# KiCad board ETH1CLCR2.kicad_pcb (continued)
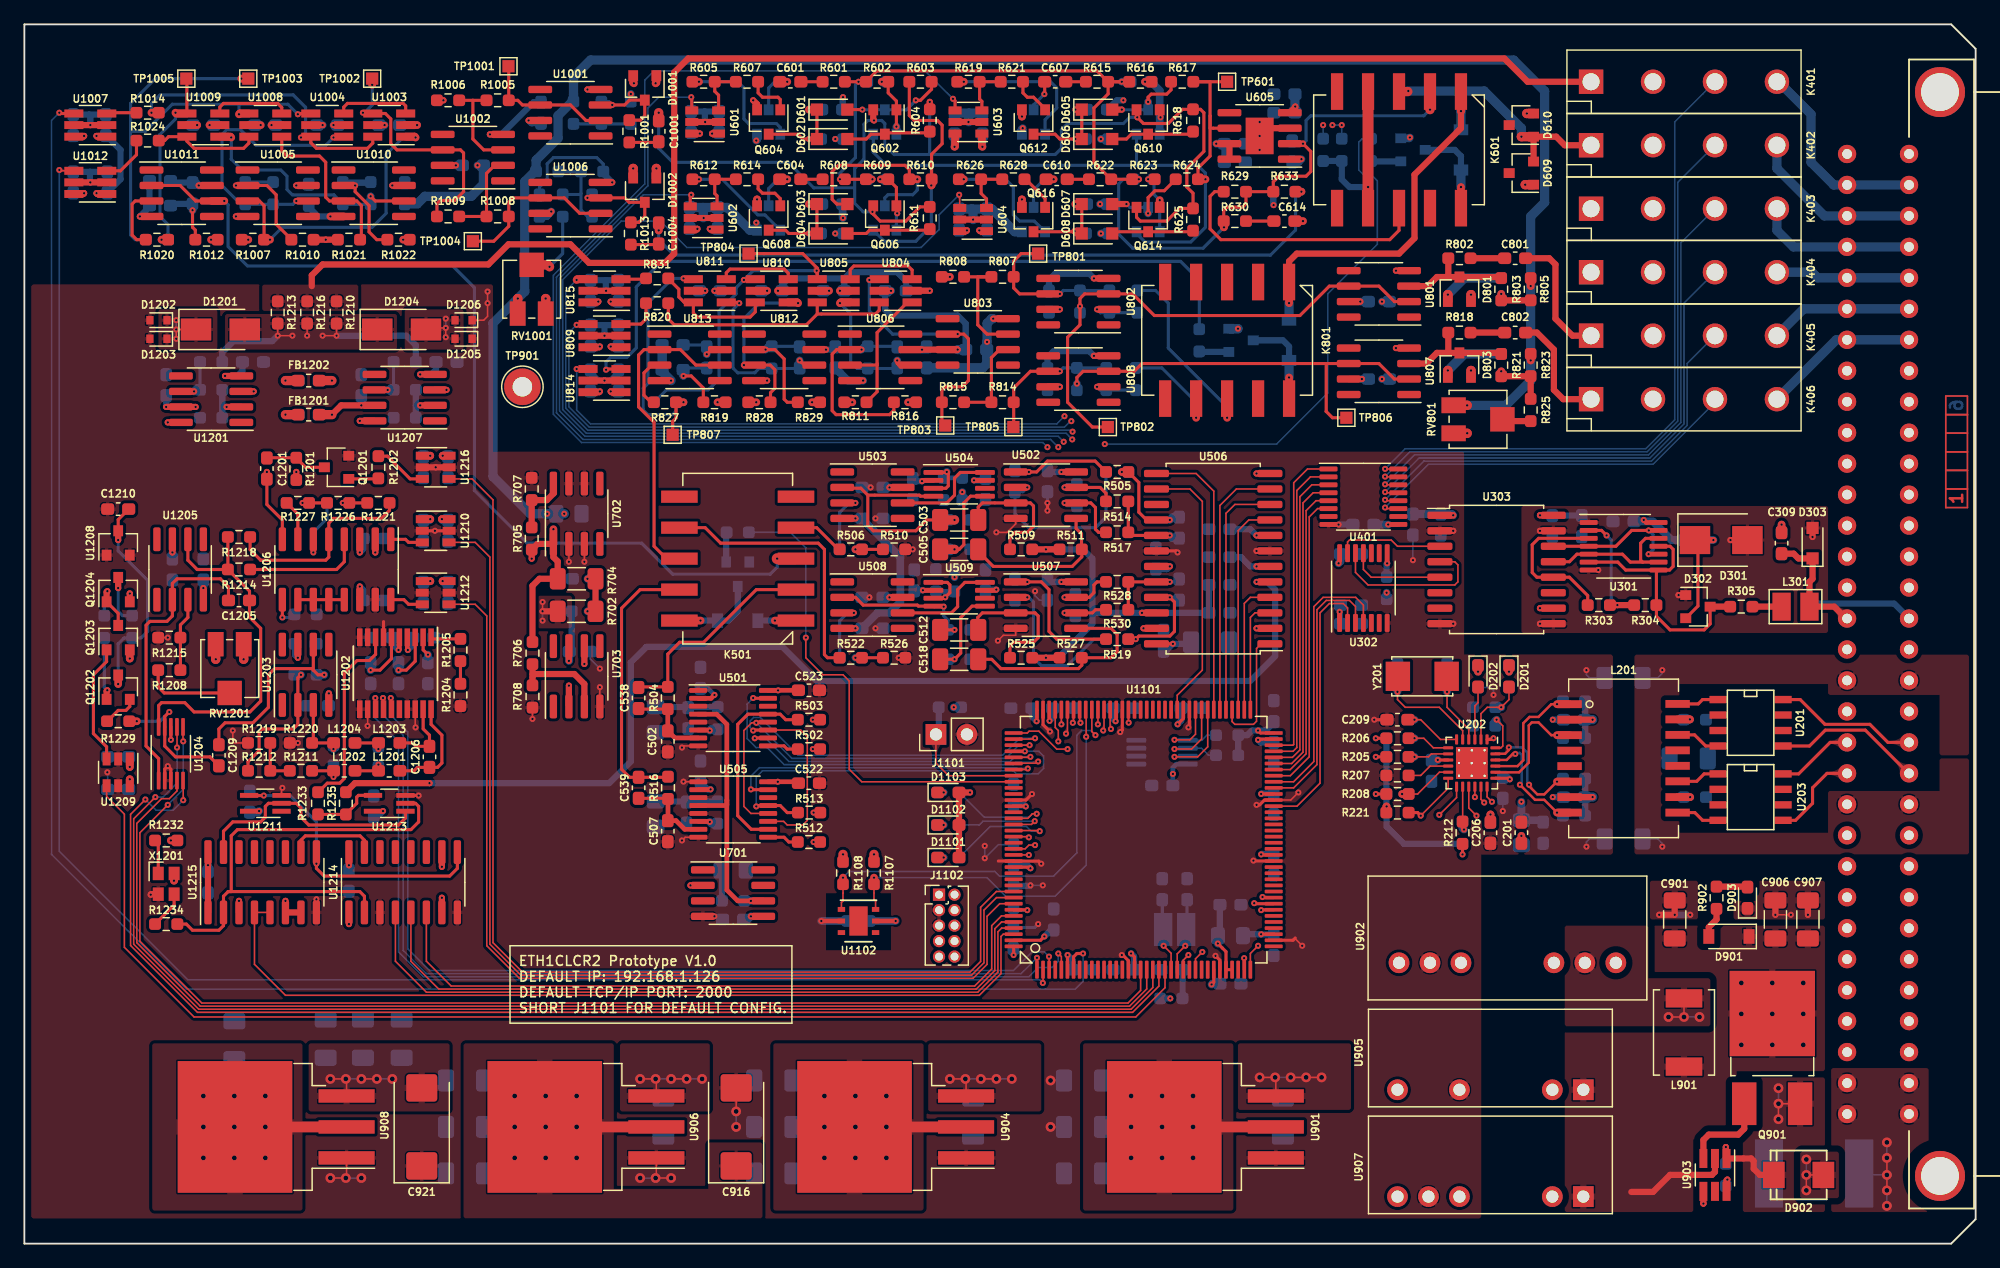
[diagram p0: board, top side]
## Routing (per net, layer and track width the routed paths; a pad name or vN(x,y) marks a point on that pad's centre or on a via; arc(x,y) is an arc through that point) (continued)
/ADC/ADC2_IIN: length 4.3
  Top w0.254: K501.4 64.97,58.72 66.75,56.94 R506.2
/ADC/ADC2_LRCK: length 9.3
  Top w0.127: U506.3 100.91,51.73 100.53,51.36 U1101.73
/ADC/ADC2_M0: length 23.2
  Top w0.127: U506.13 96.08,63.17 97.53,61.72 U1101.79
/ADC/ADC2_M1: length 22.1
  Top w0.127: U506.14 95.57,61.89 96.59,60.88 96.59,47.04 94.53,44.98 U1101.85
/ADC/ADC2_MDIV: length 20
  Top w0.127: U1101.77 98.53,59.9 99.26,60.62 U506.10
/ADC/ADC2_SCLK: length 11
  Top w0.127: 102.13,53 100.53,53 100.03,52.51 U1101.74
/ADC/ADC2_SDOUT: length 17.7
  Top w0.127: U1101.75 99.53,58.48 100.4,59.36 U506.9
/ADC/ADC2_VIN: length 22.6
  Top w0.254: K501.7 55.82,58.72 57.09,57.45 65.09,57.45 65.6,56.94 65.6,48.31 65.86,48.05 R522.2
/ADC/ADC_IIN: length 78.7
  Top w0.254: U1011.6 14.04,85.52 12.77,86.79 U1011.2
  Top w0.634: U1011.6 v1(16.39,85.52)
  Top w0.889: K501.3 v1(61.73,56.18)
  Bottom w0.254: v1(61.73,56.18) 61.73,55.48 61.16,54.91 53.16,54.91 50.62,57.45 41.22,57.45 36.9,61.77 36.9,78.41 35.12,80.18 18.3,80.18 16.71,81.77 16.71,85.2 v1(16.39,85.52)
/ADC/ADC_SEL: length 39.7
  Top w0.127: v1(64.08,49.7) 64.08,48.05 65.48,46.66 67.13,46.66 67.64,46.15 67.64,38.91 68.66,37.88 U1101.117
  Bottom w0.127: v1(64.08,49.7) 64.08,57.07 62.81,58.34 R531.1
/ADC/ADC_VIN: length 26.1
  Top w0.254: K501.8 52.65,56.18 51.63,57.2 51.63,67.36 50.36,68.63 50.36,72.88 50.81,73.33 U813.2 53.79,73.33 55.06,72.06 57.03,72.06
/ADC/CAP1: length 1.7
  Top w0.381: U501.6 56.16,42.12 v1(56.2,42.08)
  Bottom w0.634: R520.1 56.31,42.19 v1(56.2,42.08)
/ADC/CAP2: length 1.7
  Top w0.381: v1(56.2,34.59) 56.16,34.63 U505.6
  Bottom w0.634: v1(56.2,34.59) 56.36,34.44 R521.1
/ADC/DDS_CLK: length 96.2
  Top w0.254: v1(101.04,54.28) U506.5
  Top w0.508: v1(33.22,37.77) 27.1,37.77 R1235.1
  Bottom w0.508: v1(101.04,54.28) 101.93,54.28 102.56,53.64 102.56,48.18 100.53,46.15 64.97,46.15 62.17,48.94 51,48.94 49.73,47.67 49.73,39.54 47.95,37.77 v1(33.22,37.77)
/ADC/VQ: length 32
  Top w0.508: R525.2 v1(83.76,48.05) R527.2 ; R511.2 v1(83.76,56.94) R509.2 ; U506.22 v1(91.64,51.73)
  Bottom w0.508: v1(83.76,48.05) 84.78,48.05 87.57,50.85 87.57,51.61 ; v1(83.76,56.94) 86.81,56.94 87.57,56.18 87.57,51.61 ; 87.57,51.61 87.7,51.73 v1(91.64,51.73) C509.1 C510.1
/ADC/~{ADC2_HPF}: length 21.4
  Top w0.127: U1101.78 98.03,60.54 99.38,61.89 U506.11
/ADC/~{ADC2_RST}: length 10.4
  Top w0.127: U506.1 101.42,49.19 101.04,48.81 101.04,42.84 100.78,42.59 99.26,42.59 99.03,42.82 U1101.76
/Connector/A: length 16.6
  Bottom w0.761: J401.C2 J401.A2 148.36,86.83 146.5,88.69 146.5,92.63 143.84,95.3 K401.4
/Connector/B: length 14.3
  Bottom w0.761: K402.4 143.71,88.18 147.6,84.29 J401.A3 J401.C3
/Connector/C: length 13.2
  Bottom w0.761: K403.4 143.71,83.1 145.06,81.75 J401.A4 J401.C4
/Connector/CXN_REL1: length 26.4
  Top w0.127: U401.1 105.22,63.53 104.08,62.4 104.08,40.94 104.02,40.88 U1101.70
/Connector/CXN_REL2: length 26.2
  Top w0.127: U401.2 105.46,62.89 104.34,61.77 104.34,40.69 104.03,40.38 U1101.69
/Connector/CXN_REL3: length 25.9
  Top w0.127: U1101.68 103.98,39.88 104.59,40.5 104.59,61.26 105.57,62.23 U401.3
/Connector/CXN_REL4: length 25.7
  Top w0.127: U1101.67 103.92,39.38 104.85,40.31 104.85,60.75 105.68,61.58 106.94,61.58
/Connector/CXN_REL5: length 25.3
  Top w0.127: U1101.66 103.8,38.88 105.1,40.18 105.1,60.12 105.92,60.94 U401.5
/Connector/CXN_REL6: length 25.1
  Top w0.127: U1101.65 103.81,38.38 105.35,39.92 105.35,59.6 106.04,60.28 106.94,60.28
/Connector/D: length 11
  Bottom w0.761: K404.4 146.59,79.67 147.05,79.21 J401.A5 J401.C5
/Connector/E: length 11.7
  Bottom w0.761: K405.4 145.91,76.67 J401.A6 J401.C6
/Connector/EXT_TRIG: length 10.3
  Top w0.508: C309.1 145.08,56.59 145.47,56.2 D303.1 146.63,54.53 146.38,54.28 L301.1 148.41,52.24 149.38,51.27 J401.A16
/Connector/F: length 12.8
  Bottom w0.761: K406.4 148.58,74.13 J401.A7 J401.C7
/Connector/H_CUR: length 123.9
  Top w0.508: K401.1 123.26,95.3 121.36,97.2 54.43,97.2 53.28,96.06 53.28,81.2 52.52,80.44 46.3,80.44 44.78,81.96 39.69,81.96 38.04,80.31 24.45,80.31 23.57,79.42 23.57,78.53
/Connector/H_POT: length 10.6
  Top w0.508: K405.1 126.94,74.47 125.55,75.86 125.55,80.31 125.04,80.82 C801.2
/Connector/L_CUR: length 20
  Top w0.508: D609.2 D610.1 125.61,90.79 126.31,90.09 K402.1
  Top w0.761: D610.1 v1(122.75,90.79) ; K601.3 113.44,94.49
  Bottom w0.761: v1(113.48,94.53) 119.71,94.53 122.75,91.49 v1(122.75,90.79)
/Connector/L_POT: length 9.6
  Top w0.508: C802.2 124.02,74.72 125.42,73.33 125.42,70.02 126.18,69.26 K406.1
/Connector/RX+: length 6.3
  Top w0.254: J401.A20 148.07,41.11 145.49,38.53 U203.8
/Connector/RX-: length 7.6
  Top w0.254: J401.A21 147.81,38.57 146.63,37.38 146.63,36.11 145.23,34.72 U203.5
/Connector/TX+: length 11.8
  Top w0.254: J401.C20 152.81,41.11 151.33,42.59 147.65,42.59 145.61,44.62 U201.8
/Connector/TX-: length 12.3
  Top w0.254: J401.C21 154.5,38.57 150.96,42.11 147.68,42.11 146.38,40.81 U201.5
/Current Diff Amp/CUR_IN: length 89.9
  Top w0.254: R611.1 73.44,85.03 72.27,83.87 70.18,83.87 69.61,84.44 Q606.2 ; Q610.2 91.2,92.44 91.76,91.87 93.8,91.87 94.96,93.03 R618.1 96.44,93.03 96.72,92.76 96.72,89.58 95.32,88.18 95.32,86.66 95.83,86.15 R625.1 94.71,84.91 93.67,83.87 91.51,83.87 91.2,84.18 Q614.2
  Top w0.508: v1(69.67,92.12) 69.61,92.18 Q602.2 ; R604.1 v1(74.24,93.65)
  Top w0.761: C1001.2 v1(52.01,92.76)
  Bottom w0.254: 68.08,86.6 64.72,86.6 62.63,88.69 53.16,88.69 52.01,89.84 v1(52.01,92.76) ; 68.08,86.6 68.08,88.18 68.84,88.95 68.84,91.8 69.16,92.12 v1(69.67,92.12) 70.3,92.12 70.56,91.87 70.56,90.09 71.32,89.33 74.37,89.33 ; 68.08,86.6 68.08,85.33 68.78,84.63 v1(69.54,84.63) ; v1(74.24,93.65) 74.24,89.45 74.37,89.33 ; 74.37,89.33 84.53,89.33 85.03,89.84 85.03,91.36 85.54,91.87 90.11,91.87 90.62,92.38 v1(91.26,92.38)
/Current Diff Amp/CUR_ZERO: length 59.1
  Top w0.634: C1004.2 v1(52.01,83.1) ; R633.1 v1(104.72,86.28)
  Bottom w0.254: R633.1 104.23,83.13 102.18,81.07 53.28,81.07 52.01,82.34 v1(52.01,83.1)
  Bottom w0.634: R633.1 v1(104.72,86.28)
/Current Diff Amp/IDIFF0: length 143.3
  Top w0.127: U1101.2 83.53,21.4 v1(83.51,21.38) ; v1(2.87,88.06) 2.93,87.99 U1012.4
  Bottom w0.127: v1(2.87,88.06) 2.87,32.18 13.41,21.64 83.26,21.64 v1(83.51,21.38)
/Current Diff Amp/IDIFF1: length 156
  Top w0.254: U1101.7 86.03,23.52 86.3,23.8 v1(86.81,23.8) ; v1(2.87,92.76) 2.93,92.69 U1007.4
  Bottom w0.127: v1(86.81,23.8) 86.81,21.51 86.18,20.88 13.27,20.88 2.23,31.92 2.23,92.12 v1(2.87,92.76)
/DDS/A0: length 2.7
  Top w0.254: U1210.3 31.5,57.52 31.25,57.77 U1206.1
/DDS/A1: length 2.7
  Top w0.254: U1212.3 31.5,52.44 31.12,52.82 U1206.16
/DDS/DDS_CS: length 77.3
  Top w0.127: v1(84.02,23.54) 84.03,23.53 U1101.3 ; U1202.15 30.1,44.69 v1(30.04,44.75)
  Bottom w0.127: v1(30.04,44.75) 30.04,43.35 31.44,41.96 31.44,24.18 33.22,22.4 81.1,22.4 82.62,23.92 83.64,23.92 v1(84.02,23.54)
/DDS/DDS_DIV2: length 59.9
  Top w0.127: U1214.4 30.42,23.16 32.96,20.62 78.18,20.62 79.83,22.27 79.83,25.57 80.13,25.88 U1101.141
/DDS/DDS_DIV4: length 58.7
  Top w0.127: U1214.5 31.69,23.16 33.98,20.87 78.05,20.87 79.57,22.4 79.57,25.83 80.13,26.38 U1101.140
/DDS/DDS_DIV8: length 57.5
  Top w0.127: U1214.6 32.96,23.16 35,21.13 77.92,21.13 79.32,22.53 79.32,26.08 80.12,26.88 U1101.139
/DDS/DDS_LPF: length 89.7
  Top w0.127: U1216.4 36.71,62.72 38.42,61.01 38.42,24.68 40.84,22.27 77.54,22.27 78.41,23.14 78.41,27.58 79.71,28.88 U1101.135
/DDS/DDS_SCLK: length 76.6
  Top w0.127: U1101.1 v1(83.03,23.44) ; v1(29.41,44.75) 29.45,44.71 29.45,43.83
  Bottom w0.127: v1(29.41,44.75) 29.41,43.35 31.06,41.7 31.06,24.05 32.96,22.14 81.73,22.14 v1(83.03,23.44)
/DDS/DDS_SDATA: length 80.1
  Top w0.127: U1101.5 85.03,23.54 v1(84.78,23.8) ; v1(28.77,44.75) 28.8,44.72 U1202.13
  Bottom w0.127: v1(84.78,23.8) 84.78,23.16 84.27,22.65 83.13,22.65 82.37,21.89 32.71,21.89 30.68,23.92 30.68,41.19 28.77,43.1 v1(28.77,44.75)
/DDS/LPF: length 4.4
  Top w0.254: U1216.3 31.63,62.72 29.77,64.59 R1202.2
/DDS/MCLK: length 15.9
  Top w0.254: 24.07,37 24.84,37.77 25.85,37.77 26.23,38.15 26.23,46.78 27.28,47.82 28.29,47.82 28.8,48.33 U1202.8
/DDS/MDAC_CS: length 105.3
  Top w0.127: U1101.18 91.53,20.77 90.5,19.73 14.55,19.73 9.47,24.81 9.47,33.7 v1(11.75,35.99) ; v1(13.03,41.19) 13.01,41.21 U1204.6
  Bottom w0.127: v1(11.75,35.99) 13.03,37.26 v1(13.03,41.19)
/DDS/MDAC_SCK: length 102.2
  Top w0.127: U1101.19 92.03,20.89 90.62,19.48 14.42,19.48 9.22,24.68 9.22,34.46 11.25,36.5 11.88,36.5 12.51,37.12 U1204.4
/DDS/MDAC_SDIN: length 106.7
  Top w0.127: U1204.5 13.03,37.96 v1(13.03,36.37) ; v1(9.92,36.43) 8.71,35.21 8.71,24.45 14.19,18.97 90.88,18.97 93.03,21.12 U1101.21
  Bottom w0.127: v1(13.03,36.37) 12.2,35.55 10.8,35.55 v1(9.92,36.43)
/DDS/MDAC_SDO: length 107.6
  Top w0.127: U1101.20 92.53,21 90.75,19.22 14.3,19.22 8.96,24.56 8.96,34.84 v1(10.74,36.62) ; v1(12.52,40.69) 12.52,42.37 U1204.7
  Bottom w0.127: v1(10.74,36.62) 11.37,36.62 12.52,37.77 v1(12.52,40.69)
/DDS/MUX_A0: length 84.8
  Top w0.127: U1101.136 79.71,28.38 78.68,27.35 78.68,23.03 77.67,22.02 40.71,22.02 38.17,24.56 38.17,56.31 36.96,57.52 U1210.4
/DDS/MUX_A1: length 79.7
  Top w0.127: U1212.4 36.96,52.44 37.92,51.48 37.92,24.43 40.58,21.76 77.79,21.76 78.94,22.91 78.94,26.84 79.97,27.88 U1101.137
/DDS/R-DC: length 11.7
  Top w0.254: v1(11.88,43.61) 11.51,43.23 U1204.9 11.51,40.81 12.39,39.92 15.21,39.92 C1209.1
  Top w0.634: R1229.1 v1(9.22,42.84)
  Bottom w0.254: v1(9.22,42.84) 11.12,42.84 v1(11.88,43.61)
/DDS/~{DDS_DIV10}: length 72.7
  Top w0.127: U1215.5 18.87,27.16 18.87,22.91 21.41,20.37 78.3,20.37 80.08,22.14 80.08,25.19 80.27,25.38 U1101.142
/DDS/~{RDC}: length 104
  Top w0.127: U1209.4 6.74,36.68 8.2,35.22 8.2,24.3 13.91,18.59 91.13,18.59 93.53,20.99 U1101.22
/Ethernet/ETH_RXN: length 10.6
  Top w0.2: U202.22 120.63,39.67 121.55,39.67 122.04,40.17 v1(122.26,40.17) ; v1(122.63,37.64) 123.87,36.4 124.63,36.4 v1(125.67,35.35)
  Top w0.634: L201.8 v1(125.67,35.35)
  Bottom w0.2: v1(122.63,37.64) 122.78,37.79 122.78,40.08 122.62,40.25 122.34,40.25 v1(122.26,40.17)
  Bottom w0.508: R204.2 125.93,35.1 v1(125.67,35.35)
/Ethernet/ETH_RXP: length 10.6
  Top w0.2: v1(121.73,40.7) 121.73,40.49 121.42,40.18 120.64,40.18 U202.23 ; v1(123.38,37.64) 123.38,37.52 124.06,36.85 124.63,36.85 v1(125.67,37.89)
  Top w0.634: L201.6 v1(125.67,37.89)
  Bottom w0.2: v1(121.73,40.7) 122.81,40.7 123.23,40.27 123.23,37.79 v1(123.38,37.64)
  Bottom w0.508: R203.2 125.93,38.15 v1(125.67,37.89)
/Ethernet/ETH_TXN: length 11.6
  Top w0.2: L201.3 125.2,41.7 124.16,42.75 123.61,42.75 123.36,42.5 123.36,39.45 122.56,38.65 120.64,38.65 U202.20
  Top w0.634: L201.3 v1(125.67,41.7)
  Bottom w0.508: R202.2 125.93,41.45 v1(125.67,41.7)
/Ethernet/ETH_TXP: length 11.6
  Top w0.2: U202.21 120.63,39.16 122.43,39.16 122.91,39.64 122.91,42.68 123.42,43.2 124.16,43.2 125.2,44.24 L201.1
  Top w0.634: L201.1 v1(125.67,44.24)
  Bottom w0.508: R201.2 125.93,44.5 v1(125.67,44.24)
/Ethernet/MODE0: length 3.8
  Top w0.127: v1(113.99,39.92) 115.13,39.92 115.38,40.17 U202.8
  Top w0.254: R205.1 v1(113.99,39.92)
  Bottom w0.634: R205.1 v1(113.99,39.92)
/Ethernet/MODE1: length 4.1
  Top w0.127: v1(113.99,41.45) 114.75,41.45 115.53,40.67 U202.7
  Top w0.254: R206.1 v1(113.99,41.45)
  Bottom w0.634: R206.1 v1(113.99,41.45)
/Ethernet/MODE2: length 5.1
  Top w0.127: U202.11 116.03,38.67 114.24,36.88 R208.1
  Top w0.634: R208.1 v1(112.97,36.88)
  Bottom w0.634: R208.1 v1(112.97,36.88)
/Ethernet/NRST: length 71.5
  Top w0.127: v1(95.45,23.67) 95.03,23.25 U1101.25 ; v1(119.07,35.1) 118.44,35.73 U202.15
  In3.Cu w0.127: J1102.10 77.03,22.78 94.56,22.78 v1(95.45,23.67) 96.34,22.78 98.24,22.78 99.51,24.05 100.41,24.05 101.17,23.29 106.75,23.29 107.13,23.67 107.18,23.71 107.23,23.73 107.29,23.74 107.35,23.74 107.41,23.73 107.46,23.71 107.56,23.63 107.61,23.6 107.67,23.59 107.73,23.59 107.79,23.6 107.84,23.63 107.89,23.67 107.9,23.68 107.94,23.73 107.96,23.78 107.98,23.84 107.98,23.9 107.96,23.96 107.94,24.01 107.9,24.06 107.71,24.25 107.72,24.25 107.5,24.47 107.46,24.52 107.43,24.57 107.42,24.63 107.42,24.7 107.43,24.76 107.46,24.81 107.5,24.86 107.54,24.9 107.6,24.92 107.66,24.94 107.72,24.94 107.78,24.92 107.84,24.9 107.89,24.86 108.29,24.45 108.34,24.41 108.39,24.39 108.45,24.37 108.51,24.37 108.57,24.39 108.62,24.41 108.67,24.45 108.68,24.46 108.72,24.51 108.75,24.56 108.76,24.62 108.76,24.68 108.75,24.74 108.72,24.79 108.68,24.84 108.27,25.25 108.24,25.3 108.21,25.35 108.2,25.41 108.2,25.47 108.21,25.53 108.24,25.59 108.27,25.64 108.32,25.68 108.38,25.7 108.44,25.72 108.5,25.72 108.56,25.7 108.62,25.68 108.66,25.64 109.07,25.23 109.12,25.19 109.17,25.17 109.23,25.15 109.29,25.15 109.35,25.17 109.4,25.19 109.45,25.23 109.46,25.24 109.5,25.29 109.52,25.34 109.54,25.4 109.54,25.46 109.52,25.52 109.5,25.57 109.46,25.62 109.05,26.03 109.01,26.07 108.99,26.13 108.97,26.19 108.97,26.25 108.99,26.31 109.01,26.37 109.05,26.41 109.1,26.45 109.16,26.48 109.22,26.49 109.28,26.49 109.34,26.48 109.39,26.45 109.44,26.41 109.85,26.01 109.9,25.97 109.95,25.94 110.01,25.93 110.07,25.93 110.13,25.94 110.18,25.97 110.23,26.01 110.24,26.02 110.28,26.06 110.3,26.12 110.31,26.18 110.31,26.24 110.3,26.3 110.28,26.35 110.24,26.4 109.83,26.8 109.79,26.85 109.76,26.91 109.75,26.97 109.75,27.03 109.76,27.09 109.79,27.14 109.83,27.19 109.88,27.23 109.93,27.26 109.99,27.27 110.06,27.27 110.12,27.26 110.17,27.23 110.22,27.19 110.63,26.78 110.67,26.75 110.73,26.72 110.79,26.71 110.85,26.71 110.9,26.72 110.96,26.75 111,26.78 111.02,26.8 111.05,26.84 111.08,26.9 111.09,26.95 111.09,27.01 111.08,27.07 111.05,27.13 111.02,27.17 110.61,27.58 110.57,27.63 110.54,27.69 110.53,27.75 110.53,27.81 110.54,27.87 110.57,27.92 110.61,27.97 110.66,28.01 110.71,28.04 110.77,28.05 110.83,28.05 110.89,28.04 110.95,28.01 111,27.97 111.4,27.56 111.45,27.53 111.51,27.5 111.56,27.49 111.62,27.49 111.68,27.5 111.74,27.53 111.78,27.56 111.79,27.57 111.83,27.62 111.86,27.67 111.87,27.73 111.87,27.79 111.86,27.85 111.83,27.9 111.79,27.95 111.39,28.36 111.35,28.41 111.32,28.46 111.31,28.52 111.31,28.58 111.32,28.64 111.35,28.7 111.39,28.75 111.43,28.79 111.49,28.81 111.55,28.83 111.61,28.83 111.67,28.81 111.73,28.79 111.77,28.75 112.18,28.34 112.23,28.3 112.28,28.28 112.34,28.26 112.4,28.26 112.46,28.28 112.51,28.3 112.56,28.34 112.57,28.35 112.61,28.4 112.63,28.45 112.65,28.51 112.65,28.57 112.63,28.63 112.61,28.68 112.57,28.73 112.16,29.14 112.13,29.19 112.1,29.24 112.08,29.3 112.08,29.36 112.1,29.42 112.13,29.48 112.16,29.53 112.21,29.56 112.27,29.59 112.33,29.6 112.39,29.6 112.45,29.59 112.5,29.56 112.55,29.53 112.96,29.12 113.01,29.08 113.06,29.05 113.12,29.04 113.18,29.04 113.24,29.05 113.29,29.08 113.34,29.12 113.35,29.13 113.39,29.18 113.41,29.23 113.43,29.29 113.43,29.35 113.41,29.41 113.39,29.46 113.35,29.51 112.94,29.91 112.9,29.96 112.88,30.02 112.86,30.08 112.86,30.14 112.88,30.2 112.9,30.26 112.94,30.3 112.99,30.34 113.04,30.37 113.1,30.38 113.17,30.38 113.23,30.37 113.28,30.34 113.33,30.3 113.35,30.28 113.4,30.24 113.46,30.21 113.52,30.2 113.58,30.2 113.64,30.21 113.7,30.24 113.74,30.28 113.98,30.52 113.98,31.02 118.05,35.1 v1(119.07,35.1)
  Bottom w0.127: v1(95.45,23.67) 94.93,23.15 C1105.1
  Bottom w0.508: 94.98,20.18 94.98,22.41 C1105.1
/Ethernet/REF_CLK: length 47.6
  Top w0.254: R212.2 v1(117.93,31.92) ; U1101.35 100.03,23.4 v1(100.02,23.41)
  In3.Cu w0.127: v1(117.93,31.92) 117.93,31.92 116.53,31.92 115.96,31.35 115.91,31.31 115.86,31.29 115.8,31.27 115.74,31.27 115.68,31.29 115.63,31.31 115.53,31.39 115.48,31.41 115.42,31.43 115.36,31.43 115.3,31.41 115.25,31.39 115.2,31.35 115.16,31.31 115.12,31.26 115.09,31.2 115.08,31.15 115.08,31.09 115.09,31.03 115.12,30.97 115.16,30.93 115.34,30.74 115.34,30.73 115.82,30.25 115.87,30.2 115.9,30.14 115.91,30.07 115.91,30 115.9,29.94 115.87,29.88 115.82,29.82 115.77,29.78 115.71,29.75 115.65,29.74 115.58,29.74 115.51,29.75 115.45,29.78 115.4,29.82 114.73,30.5 114.68,30.54 114.63,30.56 114.57,30.57 114.51,30.57 114.45,30.56 114.39,30.54 114.35,30.5 114.3,30.45 114.26,30.41 114.24,30.35 114.23,30.29 114.23,30.23 114.24,30.17 114.26,30.12 114.3,30.07 114.98,29.4 115.02,29.35 115.05,29.29 115.06,29.22 115.06,29.15 115.05,29.09 115.02,29.03 114.98,28.98 114.92,28.93 114.86,28.9 114.8,28.89 114.73,28.89 114.66,28.9 114.6,28.93 114.55,28.98 114.28,29.25 114.23,29.29 114.17,29.32 114.1,29.33 114.03,29.33 113.97,29.32 113.91,29.29 113.85,29.25 113.81,29.2 113.78,29.13 113.77,29.07 113.77,29 113.78,28.94 113.81,28.88 113.85,28.82 114.13,28.55 114.17,28.5 114.2,28.44 114.21,28.37 114.21,28.31 114.2,28.24 114.17,28.18 114.13,28.13 114.07,28.08 114.01,28.06 113.95,28.04 113.88,28.04 113.82,28.06 113.76,28.08 113.7,28.13 113.43,28.4 113.38,28.44 113.32,28.47 113.25,28.49 113.18,28.49 113.12,28.47 113.06,28.44 113.01,28.4 112.96,28.35 112.94,28.29 112.92,28.22 112.92,28.15 112.94,28.09 112.96,28.03 113.01,27.98 113.28,27.7 113.32,27.65 113.35,27.59 113.36,27.52 113.36,27.46 113.35,27.39 113.32,27.33 113.28,27.28 113.23,27.24 113.17,27.21 113.1,27.19 113.03,27.19 112.97,27.21 112.91,27.24 112.85,27.28 112.58,27.55 112.53,27.59 112.47,27.62 112.4,27.64 112.34,27.64 112.27,27.62 112.21,27.59 112.16,27.55 112.12,27.5 112.09,27.44 112.07,27.37 112.07,27.31 112.09,27.24 112.12,27.18 112.16,27.13 112.43,26.85 112.47,26.8 112.5,26.74 112.52,26.68 112.52,26.61 112.5,26.54 112.47,26.48 112.43,26.43 112.38,26.39 112.32,26.36 112.25,26.34 112.18,26.34 112.12,26.36 112.06,26.39 112.01,26.43 111.73,26.7 111.68,26.74 111.62,26.77 111.55,26.79 111.49,26.79 111.42,26.77 111.36,26.74 111.31,26.7 111.27,26.65 111.24,26.59 111.22,26.52 111.22,26.46 111.24,26.39 111.27,26.33 111.31,26.28 111.58,26.01 111.62,25.95 111.65,25.89 111.67,25.83 111.67,25.76 111.65,25.69 111.62,25.63 111.58,25.58 111.53,25.54 111.47,25.51 111.4,25.5 111.34,25.5 111.27,25.51 111.21,25.54 111.16,25.58 110.89,25.85 110.83,25.9 110.77,25.92 110.71,25.94 110.64,25.94 110.57,25.92 110.51,25.9 110.46,25.85 110.42,25.8 110.39,25.74 110.37,25.68 110.37,25.61 110.39,25.54 110.42,25.48 110.46,25.43 110.73,25.16 110.78,25.1 110.8,25.04 110.82,24.98 110.82,24.91 110.8,24.85 110.78,24.79 110.73,24.73 110.68,24.69 110.62,24.66 110.55,24.65 110.49,24.65 110.42,24.66 110.36,24.69 110.31,24.73 110.04,25.01 109.98,25.05 109.92,25.08 109.86,25.09 109.79,25.09 109.73,25.08 109.66,25.05 109.61,25.01 109.57,24.95 109.54,24.89 109.53,24.83 109.53,24.76 109.54,24.69 109.57,24.63 109.61,24.58 109.88,24.31 109.93,24.26 109.96,24.2 109.97,24.13 109.97,24.06 109.96,24 109.93,23.94 109.88,23.88 109.83,23.84 109.77,23.81 109.71,23.8 109.64,23.8 109.57,23.81 109.51,23.84 109.46,23.88 109.19,24.16 109.14,24.2 109.07,24.23 109.01,24.24 108.94,24.24 108.88,24.23 108.82,24.2 108.76,24.16 108.72,24.1 108.69,24.04 108.68,23.98 108.68,23.91 108.69,23.85 108.72,23.78 108.76,23.73 109.04,23.46 109.08,23.41 109.11,23.35 109.12,23.28 109.12,23.21 109.11,23.15 109.08,23.09 109.04,23.04 108.98,22.99 108.92,22.96 108.86,22.95 108.79,22.95 108.73,22.96 108.66,22.99 108.61,23.04 108.34,23.31 108.29,23.35 108.23,23.38 108.16,23.39 108.09,23.39 108.03,23.38 107.97,23.35 107.92,23.31 107.26,22.65 107.22,22.66 107.19,22.67 107.15,22.69 107.13,22.72 107.11,22.75 107.1,22.78 107.09,22.86 107.07,22.89 107.05,22.92 107.03,22.95 107,22.97 106.96,22.98 106.92,22.99 106.66,22.99 106.62,22.98 106.59,22.97 106.55,22.95 106.53,22.92 106.51,22.89 106.5,22.86 106.49,22.82 106.49,22.65 106.48,22.65 106.48,21.97 106.48,21.9 106.45,21.84 106.42,21.78 106.37,21.73 106.31,21.7 106.25,21.67 106.18,21.67 106.12,21.67 106.05,21.7 106,21.73 105.95,21.78 105.91,21.84 105.89,21.9 105.88,21.97 105.88,22.82 105.88,22.86 105.87,22.89 105.85,22.92 105.82,22.95 105.79,22.97 105.75,22.98 105.72,22.99 105.45,22.99 105.41,22.98 105.38,22.97 105.35,22.95 105.32,22.92 105.3,22.89 105.29,22.86 105.28,22.82 105.28,21.97 105.28,21.9 105.25,21.84 105.22,21.78 105.17,21.73 105.11,21.7 105.05,21.67 104.98,21.67 104.92,21.67 104.85,21.7 104.8,21.73 104.75,21.78 104.71,21.84 104.69,21.9 104.68,21.97 104.68,22.82 104.68,22.86 104.67,22.89 104.65,22.92 104.62,22.95 104.59,22.97 104.55,22.98 104.52,22.99 104.25,22.99 104.21,22.98 104.18,22.97 104.15,22.95 104.12,22.92 104.1,22.89 104.09,22.86 104.08,22.82 104.08,21.97 104.08,21.9 104.05,21.84 104.02,21.78 103.97,21.73 103.91,21.7 103.85,21.67 103.78,21.67 103.72,21.67 103.65,21.7 103.6,21.73 103.55,21.78 103.51,21.84 103.49,21.9 103.48,21.97 103.48,22.82 103.48,22.86 103.47,22.89 103.45,22.92 103.42,22.95 103.39,22.97 103.35,22.98 103.32,22.99 103.05,22.99 103.01,22.98 102.98,22.97 102.95,22.95 102.92,22.92 102.9,22.89 102.89,22.86 102.88,22.82 102.88,21.97 102.88,21.9 102.85,21.84 102.82,21.78 102.77,21.73 102.71,21.7 102.65,21.67 102.58,21.67 102.52,21.67 102.45,21.7 102.4,21.73 102.35,21.78 102.31,21.84 102.29,21.9 102.28,21.97 102.28,22.35 102.28,22.42 102.25,22.48 102.22,22.54 102.17,22.59 102.11,22.62 102.05,22.64 101.98,22.65 100.78,22.65 v1(100.02,23.41)
/Ethernet/REFCLK0: length 4.4
  Top w0.127: R212.1 117.94,34.63 U202.14
  Top w0.254: 117.93,34.08 v1(118.05,33.96) ; 117.93,34.08 R212.1 ; 117.93,34.08 117.87,34.14
  Bottom w0.634: R212.1 117.93,34.08 v1(118.05,33.96)
/Ethernet/RMII_CRS_DV: length 47.6
  Top w0.254: U1101.43 101.45,27.38 v1(101.42,27.35) ; R208.2 v1(110.81,36.88)
  In3.Cu w0.127: v1(110.81,36.88) 110.81,35.73 110.31,35.22 110.27,35.2 110.23,35.18 110.19,35.17 110.14,35.17 110.1,35.18 110.06,35.2 110.02,35.22 109.62,35.63 109.59,35.66 109.54,35.68 109.5,35.69 109.46,35.69 109.41,35.68 109.37,35.66 109.34,35.63 109.31,35.59 109.29,35.55 109.28,35.51 109.28,35.47 109.29,35.42 109.31,35.38 109.34,35.35 110.43,34.26 110.46,34.22 110.48,34.18 110.49,34.14 110.49,34.09 110.48,34.05 110.46,34.01 110.43,33.97 110.39,33.94 110.35,33.93 110.31,33.92 110.26,33.92 110.22,33.93 110.18,33.94 110.15,33.97 109.05,35.06 109.02,35.09 108.98,35.11 108.94,35.12 108.89,35.12 108.85,35.11 108.81,35.09 108.77,35.06 108.74,35.03 108.72,34.99 108.71,34.94 108.71,34.9 108.72,34.86 108.74,34.82 108.77,34.78 109.86,33.69 109.89,33.65 109.91,33.61 109.92,33.57 109.92,33.53 109.91,33.48 109.89,33.44 109.86,33.41 109.83,33.38 109.79,33.36 109.74,33.35 109.7,33.35 109.66,33.36 109.61,33.38 109.58,33.41 108.49,34.5 108.45,34.53 108.41,34.55 108.37,34.55 108.32,34.55 108.28,34.55 108.24,34.53 108.21,34.5 108.18,34.46 108.16,34.42 108.15,34.38 108.15,34.33 108.16,34.29 108.18,34.25 108.21,34.21 109.3,33.12 109.32,33.09 109.34,33.05 109.35,33 109.35,32.96 109.34,32.92 109.32,32.88 109.3,32.84 109.26,32.81 109.22,32.79 109.18,32.78 109.13,32.78 109.09,32.79 109.05,32.81 109.01,32.84 107.92,33.93 107.89,33.96 107.85,33.98 107.8,33.99 107.76,33.99 107.72,33.98 107.68,33.96 107.64,33.93 107.61,33.9 107.59,33.86 107.58,33.81 107.58,33.77 107.59,33.72 107.61,33.68 107.64,33.65 108.73,32.56 108.76,32.52 108.78,32.48 108.79,32.44 108.79,32.39 108.78,32.35 108.76,32.31 108.73,32.28 108.7,32.25 108.66,32.23 108.61,32.22 108.57,32.22 108.52,32.23 108.48,32.25 108.45,32.28 107.36,33.37 107.32,33.39 107.28,33.41 107.24,33.42 107.19,33.42 107.15,33.41 107.11,33.39 107.07,33.37 107.05,33.33 107.03,33.29 107.02,33.25 107.02,33.2 107.03,33.16 107.05,33.12 107.07,33.08 108.17,31.99 108.19,31.96 108.21,31.92 108.22,31.87 108.22,31.83 108.21,31.79 108.19,31.74 108.17,31.71 108.13,31.68 108.09,31.66 108.05,31.65 108,31.65 107.96,31.66 107.92,31.68 107.88,31.71 106.79,32.8 106.76,32.83 106.72,32.85 106.67,32.86 106.63,32.86 106.58,32.85 106.54,32.83 106.51,32.8 106.48,32.77 106.46,32.73 106.45,32.68 106.45,32.64 106.46,32.59 106.48,32.55 106.51,32.52 107.6,31.43 107.63,31.39 107.65,31.35 107.66,31.31 107.66,31.26 107.65,31.22 107.63,31.18 107.6,31.14 107.56,31.12 107.52,31.1 107.48,31.09 107.44,31.09 107.39,31.1 107.35,31.12 107.32,31.14 106.23,32.23 106.19,32.26 106.15,32.28 106.11,32.29 106.06,32.29 106.02,32.28 105.98,32.26 105.94,32.23 105.92,32.2 105.9,32.16 105.89,32.12 105.89,32.07 105.9,32.03 105.92,31.99 105.94,31.95 107.03,30.86 107.06,30.83 107.08,30.79 107.09,30.74 107.09,30.7 107.08,30.65 107.06,30.61 107.03,30.58 107,30.55 106.96,30.53 106.92,30.52 106.87,30.52 106.83,30.53 106.79,30.55 106.75,30.58 105.66,31.67 105.63,31.7 105.58,31.72 105.54,31.73 105.5,31.73 105.45,31.72 105.41,31.7 105.38,31.67 105.35,31.63 105.33,31.59 105.32,31.55 105.32,31.51 105.33,31.46 105.35,31.42 105.38,31.39 106.47,30.3 106.5,30.26 106.52,30.22 106.53,30.18 106.53,30.13 106.52,30.09 106.5,30.05 106.47,30.01 106.43,29.98 106.39,29.97 106.35,29.96 106.3,29.96 106.26,29.97 106.22,29.98 106.19,30.01 105.09,31.1 105.06,31.13 105.02,31.15 104.98,31.16 104.93,31.16 104.89,31.15 104.85,31.13 104.81,31.1 104.78,31.07 104.76,31.03 104.75,30.98 104.75,30.94 104.76,30.9 104.78,30.86 104.81,30.82 105.9,29.73 105.93,29.69 105.95,29.65 105.96,29.61 105.96,29.57 105.95,29.52 105.93,29.48 105.9,29.45 105.87,29.42 105.83,29.4 105.78,29.39 105.74,29.39 105.7,29.4 105.65,29.42 105.62,29.45 105.22,29.85 105.18,29.88 105.14,29.9 105.1,29.91 105.05,29.91 105.01,29.9 104.97,29.88 104.93,29.85 102.43,27.35 v1(101.42,27.35)